# Altium PCB Even.PcbDoc (part 2 of 3) (continued)
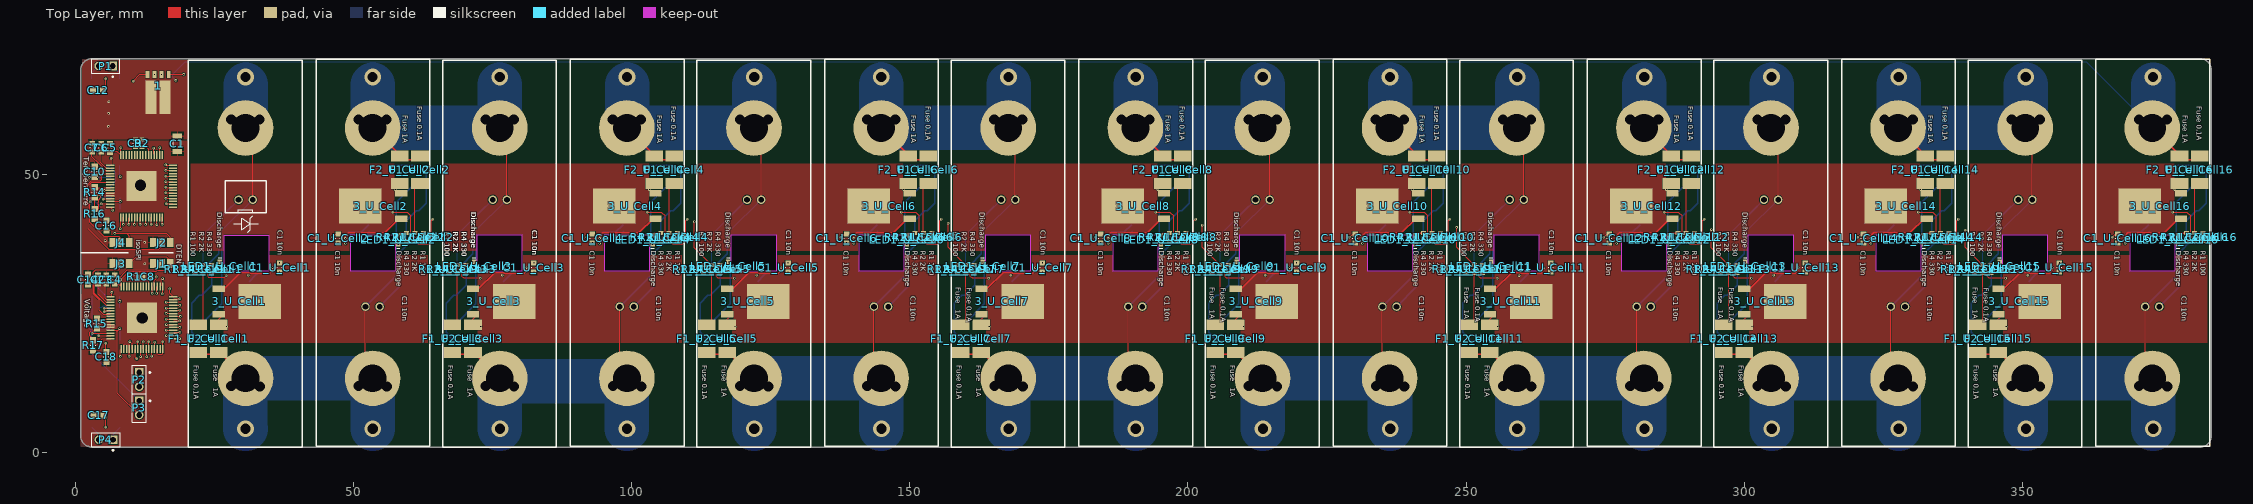
[diagram p0: Top Layer view]
## Nets (pads, with @x,y where several pads share a name; then routed paths per layer and width w, separated by ;. In a path a pad name is that pad's centre, name@x,y a point inside that pad or via, vN(x,y) a via of type N, cw(c..) or ccw(c..) an arc to the next point about the centre after c; other vN are vias at no path point) (continued)
  Bottom Layer w0.254: v1@24.55,33.655 24.55,30.05 R_U_Cell1.2@22.75,28.25 22.3,28.25 20.95,26.9 20.95,21.6 22.429,20.121 v1(26.869,20.121)
Net3_U_Cell2_1: 3_U_Cell2.1 R3_U_Cell2.1 R5_U_Cell2.2 | length 17
  Top Layer w0.254: v1(48.575,38.5) 48.575,39 49.075,39.5 55.6,39.5 3_U_Cell2.1@58.25,42.15
  Bottom Layer w0.254: v1(48.575,38.5) 48.575,39 49.175,39.6 51.4,39.6 R3_U_Cell2.1@52.8,41
Net3_U_Cell2_2: 3_U_Cell2.2 R4_U_Cell2.1 R_U_Cell2.2 | length 21.2
  Bottom Layer w0.254: v1(56.625,51.15) 56.948,51.15 57.427,51.629 61.646,51.629 63.125,50.15 63.125,44.85 61.775,43.5 R_U_Cell2.2@61.325,43.5 59.525,41.7 59.525,38.05 v1(59.575,38.05)
Net3_U_Cell3_1: 3_U_Cell3.1 R3_U_Cell3.1 R5_U_Cell3.2 | length 17.2
  Top Layer w0.254: 3_U_Cell3.1@71.5,29.484 72.484,29.484 75.379,32.379 76.998,32.379 77.127,32.25 80.7,32.25 81.2,32.75 v1(81.2,33.25)
  Bottom Layer w0.254: R3_U_Cell3.1@76.975,30.75 78.161,31.936 78.475,32.25 80.7,32.25 81.2,32.75 v1(81.2,33.25)
Net3_U_Cell3_2: 3_U_Cell3.2 R4_U_Cell3.1 R_U_Cell3.2 | length 20.4
  Top Layer w0.089: R4_U_Cell3.1@70.2,33.7 70.2,33.691 v1(70.236,33.655)
  Bottom Layer w0.254: v1@70.25,33.655 70.25,30.05 R_U_Cell3.2@68.45,28.25 68,28.25 66.65,26.9 66.65,21.6 68.129,20.121 v1(72.569,20.121)
Net3_U_Cell4_1: 3_U_Cell4.1 R3_U_Cell4.1 R5_U_Cell4.2 | length 17
  Top Layer w0.254: v1(94.275,38.5) 94.275,39 94.775,39.5 101.3,39.5 3_U_Cell4.1@103.95,42.15
  Bottom Layer w0.254: v1(94.275,38.5) 94.275,39 94.875,39.6 97.1,39.6 R3_U_Cell4.1@98.5,41
Net3_U_Cell4_2: 3_U_Cell4.2 R4_U_Cell4.1 R_U_Cell4.2 | length 21.2
  Bottom Layer w0.254: v1(102.325,51.15) 102.648,51.15 103.127,51.629 107.346,51.629 108.825,50.15 108.825,44.85 107.475,43.5 R_U_Cell4.2@107.025,43.5 105.225,41.7 105.225,38.05 v1(105.275,38.05)
Net3_U_Cell5_1: 3_U_Cell5.1 R3_U_Cell5.1 R5_U_Cell5.2 | length 17.2
  Top Layer w0.254: 3_U_Cell5.1@117.2,29.484 118.184,29.484 121.079,32.379 122.698,32.379 122.827,32.25 126.4,32.25 126.9,32.75 v1(126.9,33.25)
  Bottom Layer w0.254: R3_U_Cell5.1@122.675,30.75 123.861,31.936 124.175,32.25 126.4,32.25 126.9,32.75 v1(126.9,33.25)
Net3_U_Cell5_2: 3_U_Cell5.2 R4_U_Cell5.1 R_U_Cell5.2 | length 20.4
  Top Layer w0.089: R4_U_Cell5.1@115.9,33.7 115.9,33.691 v1(115.936,33.655)
  Bottom Layer w0.254: v1@115.95,33.655 115.95,30.05 R_U_Cell5.2@114.15,28.25 113.7,28.25 112.35,26.9 112.35,21.6 113.829,20.121 v1(118.269,20.121)
Net3_U_Cell6_1: 3_U_Cell6.1 R3_U_Cell6.1 R5_U_Cell6.2 | length 17
  Top Layer w0.254: v1(139.975,38.5) 139.975,39 140.475,39.5 147,39.5 3_U_Cell6.1@149.65,42.15
  Bottom Layer w0.254: v1(139.975,38.5) 139.975,39 140.575,39.6 142.8,39.6 R3_U_Cell6.1@144.2,41
Net3_U_Cell6_2: 3_U_Cell6.2 R4_U_Cell6.1 R_U_Cell6.2 | length 21.2
  Bottom Layer w0.254: v1(148.025,51.15) 148.348,51.15 148.827,51.629 153.046,51.629 154.525,50.15 154.525,44.85 153.175,43.5 R_U_Cell6.2@152.725,43.5 150.925,41.7 150.925,38.05 v1(150.975,38.05)
Net3_U_Cell7_1: 3_U_Cell7.1 R3_U_Cell7.1 R5_U_Cell7.2 | length 17.2
  Top Layer w0.254: 3_U_Cell7.1@162.9,29.484 163.884,29.484 166.779,32.379 168.398,32.379 168.527,32.25 172.1,32.25 172.6,32.75 v1(172.6,33.25)
  Bottom Layer w0.254: R3_U_Cell7.1@168.375,30.75 169.561,31.936 169.875,32.25 172.1,32.25 172.6,32.75 v1(172.6,33.25)
Net3_U_Cell7_2: 3_U_Cell7.2 R4_U_Cell7.1 R_U_Cell7.2 | length 20.4
  Top Layer w0.089: R4_U_Cell7.1@161.6,33.7 161.6,33.691 v1(161.636,33.655)
  Bottom Layer w0.254: v1@161.65,33.655 161.65,30.05 R_U_Cell7.2@159.85,28.25 159.4,28.25 158.05,26.9 158.05,21.6 159.529,20.121 v1(163.969,20.121)
Net3_U_Cell8_1: 3_U_Cell8.1 R3_U_Cell8.1 R5_U_Cell8.2 | length 17
  Top Layer w0.254: v1(185.675,38.5) 185.675,39 186.175,39.5 192.7,39.5 3_U_Cell8.1@195.35,42.15
  Bottom Layer w0.254: v1(185.675,38.5) 185.675,39 186.275,39.6 188.5,39.6 R3_U_Cell8.1@189.9,41
Net3_U_Cell8_2: 3_U_Cell8.2 R4_U_Cell8.1 R_U_Cell8.2 | length 21.2
  Bottom Layer w0.254: v1(193.725,51.15) 194.048,51.15 194.527,51.629 198.746,51.629 200.225,50.15 200.225,44.85 198.875,43.5 R_U_Cell8.2@198.425,43.5 196.625,41.7 196.625,38.05 v1(196.675,38.05)
Net3_U_Cell9_1: 3_U_Cell9.1 R3_U_Cell9.1 R5_U_Cell9.2 | length 17.2
  Top Layer w0.254: 3_U_Cell9.1@208.6,29.484 209.584,29.484 212.479,32.379 214.098,32.379 214.227,32.25 217.8,32.25 218.3,32.75 v1(218.3,33.25)
  Bottom Layer w0.254: R3_U_Cell9.1@214.075,30.75 215.261,31.936 215.575,32.25 217.8,32.25 218.3,32.75 v1(218.3,33.25)
Net3_U_Cell9_2: 3_U_Cell9.2 R4_U_Cell9.1 R_U_Cell9.2 | length 20.4
  Top Layer w0.089: R4_U_Cell9.1@207.3,33.7 207.3,33.691 v1(207.336,33.655)
  Bottom Layer w0.254: v1@207.35,33.655 207.35,30.05 R_U_Cell9.2@205.55,28.25 205.1,28.25 203.75,26.9 203.75,21.6 205.229,20.121 v1(209.669,20.121)
Net3_U_Cell10_1: 3_U_Cell10.1 R3_U_Cell10.1 R5_U_Cell10.2 | length 17
  Top Layer w0.254: v1(231.375,38.5) 231.375,39 231.875,39.5 238.4,39.5 3_U_Cell10.1@241.05,42.15
  Bottom Layer w0.254: v1(231.375,38.5) 231.375,39 231.975,39.6 234.2,39.6 R3_U_Cell10.1@235.6,41
Net3_U_Cell10_2: 3_U_Cell10.2 R4_U_Cell10.1 R_U_Cell10.2 | length 21.2
  Bottom Layer w0.254: v1(239.425,51.15) 239.748,51.15 240.227,51.629 244.446,51.629 245.925,50.15 245.925,44.85 244.575,43.5 R_U_Cell10.2@244.125,43.5 242.325,41.7 242.325,38.05 v1(242.375,38.05)
Net3_U_Cell11_1: 3_U_Cell11.1 R3_U_Cell11.1 R5_U_Cell11.2 | length 17.2
  Top Layer w0.254: 3_U_Cell11.1@254.3,29.484 255.284,29.484 258.179,32.379 259.798,32.379 259.927,32.25 263.5,32.25 264,32.75 v1(264,33.25)
  Bottom Layer w0.254: R3_U_Cell11.1@259.775,30.75 260.961,31.936 261.275,32.25 263.5,32.25 264,32.75 v1(264,33.25)
Net3_U_Cell11_2: 3_U_Cell11.2 R4_U_Cell11.1 R_U_Cell11.2 | length 20.4
  Top Layer w0.089: R4_U_Cell11.1@253,33.7 253,33.691 v1(253.036,33.655)
  Bottom Layer w0.254: v1@253.05,33.655 253.05,30.05 R_U_Cell11.2@251.25,28.25 250.8,28.25 249.45,26.9 249.45,21.6 250.929,20.121 v1(255.369,20.121)
Net3_U_Cell12_1: 3_U_Cell12.1 R3_U_Cell12.1 R5_U_Cell12.2 | length 17
  Top Layer w0.254: v1(277.075,38.5) 277.075,39 277.575,39.5 284.1,39.5 3_U_Cell12.1@286.75,42.15
  Bottom Layer w0.254: v1(277.075,38.5) 277.075,39 277.675,39.6 279.9,39.6 R3_U_Cell12.1@281.3,41
Net3_U_Cell12_2: 3_U_Cell12.2 R4_U_Cell12.1 R_U_Cell12.2 | length 21.2
  Bottom Layer w0.254: v1(285.125,51.15) 285.448,51.15 285.927,51.629 290.146,51.629 291.625,50.15 291.625,44.85 290.275,43.5 R_U_Cell12.2@289.825,43.5 288.025,41.7 288.025,38.05 v1(288.075,38.05)
Net3_U_Cell13_1: 3_U_Cell13.1 R3_U_Cell13.1 R5_U_Cell13.2 | length 17.2
  Top Layer w0.254: 3_U_Cell13.1@300,29.484 300.984,29.484 303.879,32.379 305.498,32.379 305.627,32.25 309.2,32.25 309.7,32.75 v1(309.7,33.25)
  Bottom Layer w0.254: R3_U_Cell13.1@305.475,30.75 306.661,31.936 306.975,32.25 309.2,32.25 309.7,32.75 v1(309.7,33.25)
Net3_U_Cell13_2: 3_U_Cell13.2 R4_U_Cell13.1 R_U_Cell13.2 | length 20.4
  Top Layer w0.089: R4_U_Cell13.1@298.7,33.7 298.7,33.691 v1(298.736,33.655)
  Bottom Layer w0.254: v1@298.75,33.655 298.75,30.05 R_U_Cell13.2@296.95,28.25 296.5,28.25 295.15,26.9 295.15,21.6 296.629,20.121 v1(301.069,20.121)
Net3_U_Cell14_1: 3_U_Cell14.1 R3_U_Cell14.1 R5_U_Cell14.2 | length 17
  Top Layer w0.254: v1(322.775,38.5) 322.775,39 323.275,39.5 329.8,39.5 3_U_Cell14.1@332.45,42.15
  Bottom Layer w0.254: v1(322.775,38.5) 322.775,39 323.375,39.6 325.6,39.6 R3_U_Cell14.1@327,41
Net3_U_Cell14_2: 3_U_Cell14.2 R4_U_Cell14.1 R_U_Cell14.2 | length 21.2
  Bottom Layer w0.254: v1(330.825,51.15) 331.148,51.15 331.627,51.629 335.846,51.629 337.325,50.15 337.325,44.85 335.975,43.5 R_U_Cell14.2@335.525,43.5 333.725,41.7 333.725,38.05 v1(333.775,38.05)
Net3_U_Cell15_1: 3_U_Cell15.1 R3_U_Cell15.1 R5_U_Cell15.2 | length 17.2
  Top Layer w0.254: 3_U_Cell15.1@345.7,29.484 346.684,29.484 349.579,32.379 351.198,32.379 351.327,32.25 354.9,32.25 355.4,32.75 v1(355.4,33.25)
  Bottom Layer w0.254: R3_U_Cell15.1@351.175,30.75 352.361,31.936 352.675,32.25 354.9,32.25 355.4,32.75 v1(355.4,33.25)
Net3_U_Cell15_2: 3_U_Cell15.2 R4_U_Cell15.1 R_U_Cell15.2 | length 20.4
  Top Layer w0.089: R4_U_Cell15.1@344.4,33.7 344.4,33.691 v1(344.436,33.655)
  Bottom Layer w0.254: v1@344.45,33.655 344.45,30.05 R_U_Cell15.2@342.65,28.25 342.2,28.25 340.85,26.9 340.85,21.6 342.329,20.121 v1(346.769,20.121)
Net3_U_Cell16_1: 3_U_Cell16.1 R3_U_Cell16.1 R5_U_Cell16.2 | length 17
  Top Layer w0.254: v1(368.475,38.5) 368.475,39 368.975,39.5 375.5,39.5 3_U_Cell16.1@378.15,42.15
  Bottom Layer w0.254: v1(368.475,38.5) 368.475,39 369.075,39.6 371.3,39.6 R3_U_Cell16.1@372.7,41
Net3_U_Cell16_2: 3_U_Cell16.2 R4_U_Cell16.1 R_U_Cell16.2 | length 21.2
  Bottom Layer w0.254: v1(376.525,51.15) 376.848,51.15 377.327,51.629 381.546,51.629 383.025,50.15 383.025,44.85 381.675,43.5 R_U_Cell16.2@381.225,43.5 379.425,41.7 379.425,38.05 v1(379.475,38.05)
Net4_1: 4.1 P1.2 | length 2.8
  Bottom Layer w0.127: 4.1@2.96,67.195 2.96,68.255 P1.2@4.205,69.5
Net4_2: 4.2 C12.1 | length 2.3
  Top Layer w0.127: C12.1@5,65.1 5.5,65.6 v1(5.5,67.195)
Net4_3: 4.3 P1.1 | length 2.8
  Bottom Layer w0.127: P1.1@6.745,69.5 8.04,68.205 4.3@8.04,67.195
Net4_5: 4.5 C11.2 | length 5.4
  Bottom Layer w0.127: 4.5@5.5,51.555 5.945,51.555 7.3,50.2 7.3,48.75 C11.2@6.2,47.65
Net5_2: 5.2 C15.1 | length 5.4
  Bottom Layer w0.127: C15.1@4,47.65 4,47.195 3.405,46.6 3.405,45.307 4.942,43.77 5.2@5.575,43.77
Net5_5: 5.5 C14.2 | length 4.3
  Bottom Layer w0.127: v1(2.3,30.2) 2.3,30.3 3.405,30.3 5.5@5.575,28.13
Net6_1: 6.1 P4.1 | length 2.8
  Bottom Layer w0.127: P4.1@6.795,2.325 6.795,3.285 6.1@8.09,4.58
Net6_2: 6.2 C17.2 | length 2.3
  Top Layer w0.127: C17.2@5.1,6.7 5.5,6.3 v1(5.5,4.6) v1@5.55,4.58
Net6_3: 6.3 P4.2 | length 2.8
  Bottom Layer w0.127: 6.3@3.01,4.58 4.255,3.335 P4.2@4.255,2.325
Net6_5: 6.5 C18.1 | length 1.6
  Top Layer w0.127: v1(5.5,19.7) 5.5,18.2 C18.1@5.6,18.1
NetC2_1: C2.1 Voltage.51 | length 4.7
  Top Layer w0.127: C2.1@4.1,30.3 4.1,28.5 5.6,27 Voltage.51@6.375,27
NetC3_1: C3.1 Voltage.50 | length 3.7
  Top Layer w0.127: C3.1@5.6,30.3 5.4,30.1 5.4,27.8 5.7,27.5 Voltage.50@6.375,27.5
NetC6_2: C6.2 Temperature.50 | length 4.2
  Top Layer w0.127: C6.2@4.5,54.2 4.5,52.2 5.55,51.15 Temperature.50@6.3,51.15
NetC7_2: C7.2 Temperature.51 | length 5.4
  Top Layer w0.127: C7.2@3,54.2 3,53.216 4.202,52.013 4.202,51.998 5.5,50.7 6.25,50.7 Temperature.51@6.3,50.65
NetC10_1: C10.1 R6.1 R7.2 | length 2.9
  Top Layer w0.127: C10.1@3.5,49.6 3.883,49.6 v1(4.004,49.479)
  Bottom Layer w0.127: R7.2@4.205,49.5 6.4,49.5 R6.1@6.5,49.6
NetC13_1: C13.1 R8.1 R10.2 | length 4.5
  Bottom Layer w0.127: R10.2@4.2,26.1 4.784,26.1 4.784,26.172 5.028,26.415 5.372,26.415 5.688,26.1 R8.1@6.4,26.1 6.1,25.8 C13.1@6.1,24.2
NetC16_2: C16.2 R9.1 R11.2 | length 8
  Top Layer w0.127: v1(4.623,46.253) 4.623,45.917 4.204,45.498 4.204,45.09 4.104,44.991 4.104,44.647 4.204,44.547 4.204,43.096 C16.2@5.6,41.7
  Bottom Layer w0.127: v1(4.623,46.253) 4.623,45.962 4.642,45.942 4.519,45.819 4.668,45.819 4.832,45.983 6.317,45.983 R9.1@6.5,45.8
NetC19_2: C19.2 R12.1 R13.2 | length 4.2
  Bottom Layer w0.127: C19.2@4,24.2 4.14,24.06 R12.1@4.14,22.3 R13.2@6.4,22.3
NetF1_U_Cell1_P$1: F1_U_Cell1.P$1 R2_U_Cell1.2 | length 9.7
  Top Layer w0.089: F1_U_Cell1.P$1@22.1,23 23,23.9 R2_U_Cell1.2@23,32.3
NetF1_U_Cell2_P$1: F1_U_Cell2.P$1 R2_U_Cell2.2 | length 9.3
  Top Layer w0.127: R2_U_Cell2.2@61.075,39.45 61.075,47.45 F1_U_Cell2.P$1@61.975,48.35
NetF1_U_Cell3_P$1: F1_U_Cell3.P$1 R2_U_Cell3.2 | length 9.7
  Top Layer w0.089: F1_U_Cell3.P$1@67.8,23 68.7,23.9 R2_U_Cell3.2@68.7,32.3
NetF1_U_Cell4_P$1: F1_U_Cell4.P$1 R2_U_Cell4.2 | length 9.3
  Top Layer w0.127: R2_U_Cell4.2@106.775,39.45 106.775,47.45 F1_U_Cell4.P$1@107.675,48.35
NetF1_U_Cell5_P$1: F1_U_Cell5.P$1 R2_U_Cell5.2 | length 9.7
  Top Layer w0.089: F1_U_Cell5.P$1@113.5,23 114.4,23.9 R2_U_Cell5.2@114.4,32.3
NetF1_U_Cell6_P$1: F1_U_Cell6.P$1 R2_U_Cell6.2 | length 9.3
  Top Layer w0.127: R2_U_Cell6.2@152.475,39.45 152.475,47.45 F1_U_Cell6.P$1@153.375,48.35
NetF1_U_Cell7_P$1: F1_U_Cell7.P$1 R2_U_Cell7.2 | length 9.7
  Top Layer w0.089: F1_U_Cell7.P$1@159.2,23 160.1,23.9 R2_U_Cell7.2@160.1,32.3
NetF1_U_Cell8_P$1: F1_U_Cell8.P$1 R2_U_Cell8.2 | length 9.3
  Top Layer w0.127: R2_U_Cell8.2@198.175,39.45 198.175,47.45 F1_U_Cell8.P$1@199.075,48.35
NetF1_U_Cell9_P$1: F1_U_Cell9.P$1 R2_U_Cell9.2 | length 9.7
  Top Layer w0.089: F1_U_Cell9.P$1@204.9,23 205.8,23.9 R2_U_Cell9.2@205.8,32.3
NetF1_U_Cell10_P$1: F1_U_Cell10.P$1 R2_U_Cell10.2 | length 9.3
  Top Layer w0.127: R2_U_Cell10.2@243.875,39.45 243.875,47.45 F1_U_Cell10.P$1@244.775,48.35
NetF1_U_Cell11_P$1: F1_U_Cell11.P$1 R2_U_Cell11.2 | length 9.7
  Top Layer w0.089: F1_U_Cell11.P$1@250.6,23 251.5,23.9 R2_U_Cell11.2@251.5,32.3
NetF1_U_Cell12_P$1: F1_U_Cell12.P$1 R2_U_Cell12.2 | length 9.3
  Top Layer w0.127: R2_U_Cell12.2@289.575,39.45 289.575,47.45 F1_U_Cell12.P$1@290.475,48.35
NetF1_U_Cell13_P$1: F1_U_Cell13.P$1 R2_U_Cell13.2 | length 9.7
  Top Layer w0.089: F1_U_Cell13.P$1@296.3,23 297.2,23.9 R2_U_Cell13.2@297.2,32.3
NetF1_U_Cell14_P$1: F1_U_Cell14.P$1 R2_U_Cell14.2 | length 9.3
  Top Layer w0.127: R2_U_Cell14.2@335.275,39.45 335.275,47.45 F1_U_Cell14.P$1@336.175,48.35
NetF1_U_Cell15_P$1: F1_U_Cell15.P$1 R2_U_Cell15.2 | length 9.7
  Top Layer w0.089: F1_U_Cell15.P$1@342,23 342.9,23.9 R2_U_Cell15.2@342.9,32.3
NetF1_U_Cell16_P$1: F1_U_Cell16.P$1 R2_U_Cell16.2 | length 9.3
  Top Layer w0.127: R2_U_Cell16.2@380.975,39.45 380.975,47.45 F1_U_Cell16.P$1@381.875,48.35
NetLED1_U_Cell1_2: LED1_U_Cell1.2 R4_U_Cell1.2 | length 1.7
  Top Layer w0.254: R4_U_Cell1.2@24.5,32.3 25.6,32.3 LED1_U_Cell1.2@26,32.7
NetLED1_U_Cell2_2: LED1_U_Cell2.2 R4_U_Cell2.2 | length 1.7
  Top Layer w0.254: LED1_U_Cell2.2@58.075,39.05 58.475,39.45 R4_U_Cell2.2@59.575,39.45
NetLED1_U_Cell3_2: LED1_U_Cell3.2 R4_U_Cell3.2 | length 1.7
  Top Layer w0.254: R4_U_Cell3.2@70.2,32.3 71.3,32.3 LED1_U_Cell3.2@71.7,32.7
NetLED1_U_Cell4_2: LED1_U_Cell4.2 R4_U_Cell4.2 | length 1.7
  Top Layer w0.254: LED1_U_Cell4.2@103.775,39.05 104.175,39.45 R4_U_Cell4.2@105.275,39.45
NetLED1_U_Cell5_2: LED1_U_Cell5.2 R4_U_Cell5.2 | length 1.7
  Top Layer w0.254: R4_U_Cell5.2@115.9,32.3 117,32.3 LED1_U_Cell5.2@117.4,32.7
NetLED1_U_Cell6_2: LED1_U_Cell6.2 R4_U_Cell6.2 | length 1.7
  Top Layer w0.254: LED1_U_Cell6.2@149.475,39.05 149.875,39.45 R4_U_Cell6.2@150.975,39.45
NetLED1_U_Cell7_2: LED1_U_Cell7.2 R4_U_Cell7.2 | length 1.7
  Top Layer w0.254: R4_U_Cell7.2@161.6,32.3 162.7,32.3 LED1_U_Cell7.2@163.1,32.7
NetLED1_U_Cell8_2: LED1_U_Cell8.2 R4_U_Cell8.2 | length 1.7
  Top Layer w0.254: LED1_U_Cell8.2@195.175,39.05 195.575,39.45 R4_U_Cell8.2@196.675,39.45
NetLED1_U_Cell9_2: LED1_U_Cell9.2 R4_U_Cell9.2 | length 1.7
  Top Layer w0.254: R4_U_Cell9.2@207.3,32.3 208.4,32.3 LED1_U_Cell9.2@208.8,32.7
NetLED1_U_Cell10_2: LED1_U_Cell10.2 R4_U_Cell10.2 | length 1.7
  Top Layer w0.254: LED1_U_Cell10.2@240.875,39.05 241.275,39.45 R4_U_Cell10.2@242.375,39.45
NetLED1_U_Cell11_2: LED1_U_Cell11.2 R4_U_Cell11.2 | length 1.7
  Top Layer w0.254: R4_U_Cell11.2@253,32.3 254.1,32.3 LED1_U_Cell11.2@254.5,32.7
NetLED1_U_Cell12_2: LED1_U_Cell12.2 R4_U_Cell12.2 | length 1.7
  Top Layer w0.254: LED1_U_Cell12.2@286.575,39.05 286.975,39.45 R4_U_Cell12.2@288.075,39.45
NetLED1_U_Cell13_2: LED1_U_Cell13.2 R4_U_Cell13.2 | length 1.7
  Top Layer w0.254: R4_U_Cell13.2@298.7,32.3 299.8,32.3 LED1_U_Cell13.2@300.2,32.7
NetLED1_U_Cell14_2: LED1_U_Cell14.2 R4_U_Cell14.2 | length 1.7
  Top Layer w0.254: LED1_U_Cell14.2@332.275,39.05 332.675,39.45 R4_U_Cell14.2@333.775,39.45
NetLED1_U_Cell15_2: LED1_U_Cell15.2 R4_U_Cell15.2 | length 1.7
  Top Layer w0.254: R4_U_Cell15.2@344.4,32.3 345.5,32.3 LED1_U_Cell15.2@345.9,32.7
NetLED1_U_Cell16_2: LED1_U_Cell16.2 R4_U_Cell16.2 | length 1.7
  Top Layer w0.254: LED1_U_Cell16.2@377.975,39.05 378.375,39.45 R4_U_Cell16.2@379.475,39.45
POS16: 2.2 CELL+_U_Cell16.CELL+ F1_U_Cell16.P$2 F2_U_Cell16.P$1 Temperature.1 Voltage.1 | length 441.6
  Top Layer w0.127: v1(8.1,40.241) 8.175,40.316 Temperature.1@8.175,42.275 ; v1(8.137,17.3) 8.137,18.512 Voltage.1@8.25,18.625
  Top Layer w0.254: CELL+_U_Cell16.CELL+@373.365,58.36 379.1,52.625 380.4,52.625 380.425,52.6 F1_U_Cell16.P$2@382.225,52.6
  Internal Bottom w0.127: v1(8.137,17.3) v1@8.137,17.463 ; v1(18.1,66.9) 15,66.9 9.5,61.4 9.5,54.3 8.516,53.316 8.516,44.978 8.1,44.562 v1(8.1,40.241) 8.1,31.738 8.666,31.172 8.666,18.066 8.137,17.537 ; v1@8.137,17.463 8.137,17.537 ; v1@8.137,17.463 8.1,17.5 8.137,17.537
  Bottom Layer w0.089: 2.2@17.5,68 17.5,67.5 v1(18.1,66.9)
  Bottom Layer w0.127: 2.2@17.5,68 19.77,70.27 361.478,70.27 CELL+_U_Cell16.CELL+@373.38,58.367
  Bottom Layer w8: CELL+_U_Cell16.CELL+@373.505,58.36 v2@373.505,66.089
  other v2: 370.955,59.899 375.995,59.899 373.495,67.519
S1: R5_U_Cell1.1 Voltage.37 | length 21.2
  Top Layer w0.127: Voltage.37@13.75,29.875 13.843,29.782 v1(13.843,28.651)
  Internal Bottom w0.089: v1(13.843,28.651) 13.843,30.268 15.442,31.867 18.029,31.867 18.496,31.4 30.6,31.4 v1(31.1,31.9)
S2: R5_U_Cell2.1 Voltage.35 | length 47.5
  Top Layer w0.127: v1(14.63,28.651) 14.63,29.755 Voltage.35@14.75,29.875
  Internal Bottom w0.089: v1(14.63,28.651) 14.63,30.765 14.75,30.885 15.06,31.195 15.555,31.689 17.81,31.689 18.278,31.222 44.222,31.222 48.575,35.575 v1(48.575,37.6)
  Bottom Layer w0.089: v1(48.575,37.6) 49.367,38.392 49.367,39.181 49.445,39.259 52.382,39.259 R5_U_Cell2.1@52.975,39.853
S3: R5_U_Cell3.1 Voltage.33 | length 63.9
  Top Layer w0.089: v1(15.646,28.554) 15.75,28.657 Voltage.33@15.75,29.875
  Internal Bottom w0.089: v1(15.646,28.554) 16.849,28.554 18.984,30.688 20.148,30.688 75.588,30.688 v1(76.8,31.9)
S4: R5_U_Cell4.1 Voltage.31 | length 87.9
  Top Layer w0.127: Voltage.31@17.625,27.5 17.786,27.661 v1(18.811,27.661)
  Internal Bottom w0.089: v1(18.811,27.661) 18.811,29.982 19.34,30.51 20.222,30.51 87.286,30.511 v1@94.275,37.5
  Bottom Layer w0.089: v1(94.275,37.6) 95.067,38.392 95.067,39.181 95.145,39.259 98.082,39.259 R5_U_Cell4.1@98.675,39.853
S5: R5_U_Cell5.1 Voltage.29 | length 107.1
  Top Layer w0.127: Voltage.29@17.625,26.5 v1@18.67,26.5
  Internal Bottom w0.089: v1@18.67,26.5 18.803,26.5 22.28,29.977 120.577,29.977 v1(122.5,31.9)
  other v1: 18.799,26.5
S6: R5_U_Cell6.1 Voltage.27 | length 133.2
  Top Layer w0.127: Voltage.27@17.625,25.5 17.754,25.629 v1(18.799,25.629)
  Internal Bottom w0.089: v1(18.799,25.629) 22.969,29.799 132.199,29.799 v1@140,37.6
  Bottom Layer w0.089: v1(139.975,37.6) 140.767,38.392 140.767,39.181 140.845,39.259 143.782,39.259 R5_U_Cell6.1@144.375,39.853
S7: R5_U_Cell7.1 Voltage.25 | length 153.6
  Top Layer w0.127: Voltage.25@17.625,24.5 v1(18.909,24.5)
  Internal Bottom w0.089: v1(18.909,24.5) 23.675,29.265 165.565,29.265 v1(168.2,31.9)
S8: R5_U_Cell8.1 Voltage.23 | length 179.7
  Top Layer w0.127: Voltage.23@17.625,23.5 17.798,23.673 v1(18.768,23.673)
  Internal Bottom w0.089: v1(18.768,23.673) 18.843,23.673 24.257,29.087 177.17,29.087 v1@185.675,37.592
  Bottom Layer w0.089: v1(185.675,37.6) 186.467,38.392 186.467,39.181 186.545,39.259 189.482,39.259 R5_U_Cell8.1@190.075,39.853
S9: R5_U_Cell9.1 Voltage.21 | length 200.2
  Top Layer w0.089: Voltage.21@17.625,22.5 18.787,22.5 v1(18.791,22.504)
  Internal Bottom w0.089: v1(18.791,22.504) 24.84,28.554 210.554,28.554 v1(213.9,31.9)
S10: R5_U_Cell10.1 Voltage.19 | length 226.3
  Top Layer w0.127: Voltage.19@17.625,21.5 17.766,21.641 v1(18.811,21.641)
  Internal Bottom w0.089: v1(18.811,21.641) 25.546,28.376 222.006,28.376 v1@231.381,37.75
  Bottom Layer w0.089: v1(231.375,37.6) 232.167,38.392 232.167,39.181 232.245,39.259 235.182,39.259 R5_U_Cell10.1@235.775,39.853
S11: R5_U_Cell11.1 Voltage.17 | length 246.6
  Top Layer w0.089: Voltage.17@17.625,20.5 v1(18.768,20.5)
  Internal Bottom w0.089: v1(18.768,20.5) 26.11,27.842 255.542,27.842 259.526,31.826 v1(259.537,31.826)
S12: R5_U_Cell12.1 Voltage.13 | length 277.9
  Top Layer w0.127: Voltage.13@14.25,18.625 14.3,18.675 v1(14.3,19.875)
  Internal Bottom w0.089: v1(14.3,19.875) 14.3,19.62 14.646,19.273 18.102,19.273 26.493,27.664 266.995,27.664 v1@277.075,37.744
  Bottom Layer w0.089: v1(277.075,37.6) 277.867,38.392 277.867,39.181 277.945,39.259 280.882,39.259 R5_U_Cell12.1@281.475,39.853
S13: R5_U_Cell13.1 Voltage.11 | length 305.2
  Top Layer w0.089: Voltage.11@13.25,18.625 v1(13.25,19.9)
  Internal Bottom w0.089: v1(13.25,19.9) 13.25,18.654 13.259,18.645 12.354,17.741 12.354,17.182 12.737,16.799 16.383,16.799 26.714,27.13 49.428,27.13 51.242,25.317 298.727,25.317 ; 298.722,25.322 v1(305.3,31.9)
S14: R5_U_Cell14.1 Voltage.9 | length 330.9
  Top Layer w0.127: v1(12.225,19.9) 12.225,18.65 Voltage.9@12.25,18.625
  Internal Bottom w0.089: v1(12.225,19.9) 12.176,19.851 12.176,17.108 12.664,16.621 16.456,16.621 26.788,26.953 49.354,26.953 51.168,25.139 310.22,25.139 v1@322.775,37.694
  Bottom Layer w0.089: v1(322.775,37.6) 323.567,38.392 323.567,39.181 323.645,39.259 326.582,39.259 R5_U_Cell14.1@327.175,39.853
S15: R5_U_Cell15.1 Voltage.7 | length 353.4
  Top Layer w0.089: Voltage.7@11.25,18.625 11.25,19.875 v1(11.275,19.9)
  Internal Bottom w0.089: v1(11.275,19.9) 11.275,17.83 10.678,17.233 10.678,16.701 11.292,16.088 16.677,16.088 27.009,26.419 49.133,26.419 50.947,24.605 343.705,24.605 v1(351,31.9)
S16: R5_U_Cell16.1 Voltage.5 | length 379.7
  Top Layer w0.089: v1(9.83,19.964) 10.25,19.544 Voltage.5@10.25,18.625
  Internal Bottom w0.089: v1(9.83,19.964) 9.83,18.872 10.5,18.202 10.5,16.628 11.218,15.91 16.751,15.91 27.082,26.241 49.059,26.241 50.873,24.427 355.209,24.427 v1@368.475,37.694
  Bottom Layer w0.089: v1(368.475,37.6) 369.267,38.392 369.267,39.181 369.345,39.259 372.282,39.259 R5_U_Cell16.1@372.875,39.853
T1: CELL+_U_Cell1.1 R2_U_Cell1.1 Temperature.36 | length 48.2
  Top Layer w0.127: v1(14.1,54.759) 14.1,53.6 Temperature.36@14.175,53.525
  Internal Bottom w0.089: v1(14.1,54.759) 14.537,55.196 19.664,55.196 CELL+_U_Cell1.1@29.36,45.5
  Bottom Layer w0.127: v1(23,33.7) 23,39.14 25.8,41.94 CELL+_U_Cell1.1@29.36,45.5
  Bottom Layer w0.254: v1@23.025,33.725 23.75,33.725 25.8,35.775 25.8,41.94 28.13,44.27
T2: CELL+_U_Cell2.1 R2_U_Cell2.1 Temperature.34 | length 78.4
  Top Layer w0.089: v1(61.075,38.05) 61.675,37.45 63.425,37.45 64,38.025 64,41.7 v1(64.3,42)
  Top Layer w0.127: Temperature.34@15.175,53.525 15.2,53.55 v1(15.2,54.8)
  Internal Bottom w0.089: v1(15.2,54.8) 15.2,54.545 27.967,41.778 64.078,41.778 v1(64.3,42)
  Bottom Layer w0.254: CELL+_U_Cell2.1@54.715,26.25 55.915,27.45 55.945,27.48 58.275,29.81 58.275,35.975 60.325,38.025 61.05,38.025 v1(61.075,38.05)
T3: CELL+_U_Cell3.1 R2_U_Cell3.1 Temperature.32 | length 93.5
  Top Layer w0.089: v1(16.25,51.725) 16.325,51.65 Temperature.32@17.55,51.65
  Internal Bottom w0.089: v1(16.25,51.725) 16.375,51.725 26.521,41.579 71.169,41.579 CELL+_U_Cell3.1@75.06,45.47
  Bottom Layer w0.127: v1(68.7,33.7) 68.7,39.14 71.5,41.94 CELL+_U_Cell3.1@75.06,45.5
  Bottom Layer w0.254: v1@68.725,33.725 69.45,33.725 71.5,35.775 71.5,41.94 73.83,44.27
T4: CELL+_U_Cell4.1 R2_U_Cell4.1 Temperature.30 | length 121.5
  Top Layer w0.089: v1(106.775,38.05) 107.375,37.45 109.125,37.45 109.7,38.025 109.7,41.7 v1(110,42)
  Top Layer w0.127: v1(16.3,50.725) 17.475,50.725 Temperature.30@17.55,50.65
  Internal Bottom w0.089: v1(16.3,50.725) 16.431,50.725 25.754,41.401 109.401,41.401 109.778,41.778 v1(110,42)
  Bottom Layer w0.254: CELL+_U_Cell4.1@100.415,26.25 103.975,29.81 103.975,35.975 106.025,38.025 106.75,38.025 v1(106.775,38.05)
T5: CELL+_U_Cell5.1 R2_U_Cell5.1 Temperature.28 | length 133
  Top Layer w0.089: v1(16.3,49.725) 17.475,49.725 Temperature.28@17.55,49.65 ; v1(111.3,41.5) 111.3,36.8 v1(114.4,33.7)
  Internal Bottom w0.089: v1@16.505,49.65 24.932,41.223 111.023,41.223 v1(111.3,41.5)
  Bottom Layer w0.089: 119.53,44.27 119.56,44.27 CELL+_U_Cell5.1@120.76,45.47
  Bottom Layer w0.127: v1(114.4,33.7) 114.4,39.14 117.2,41.94
  Bottom Layer w0.254: v1@114.425,33.725 115.15,33.725 117.2,35.775 117.2,41.94 119.53,44.27